# Allegro board trx_layout.brd (continued)
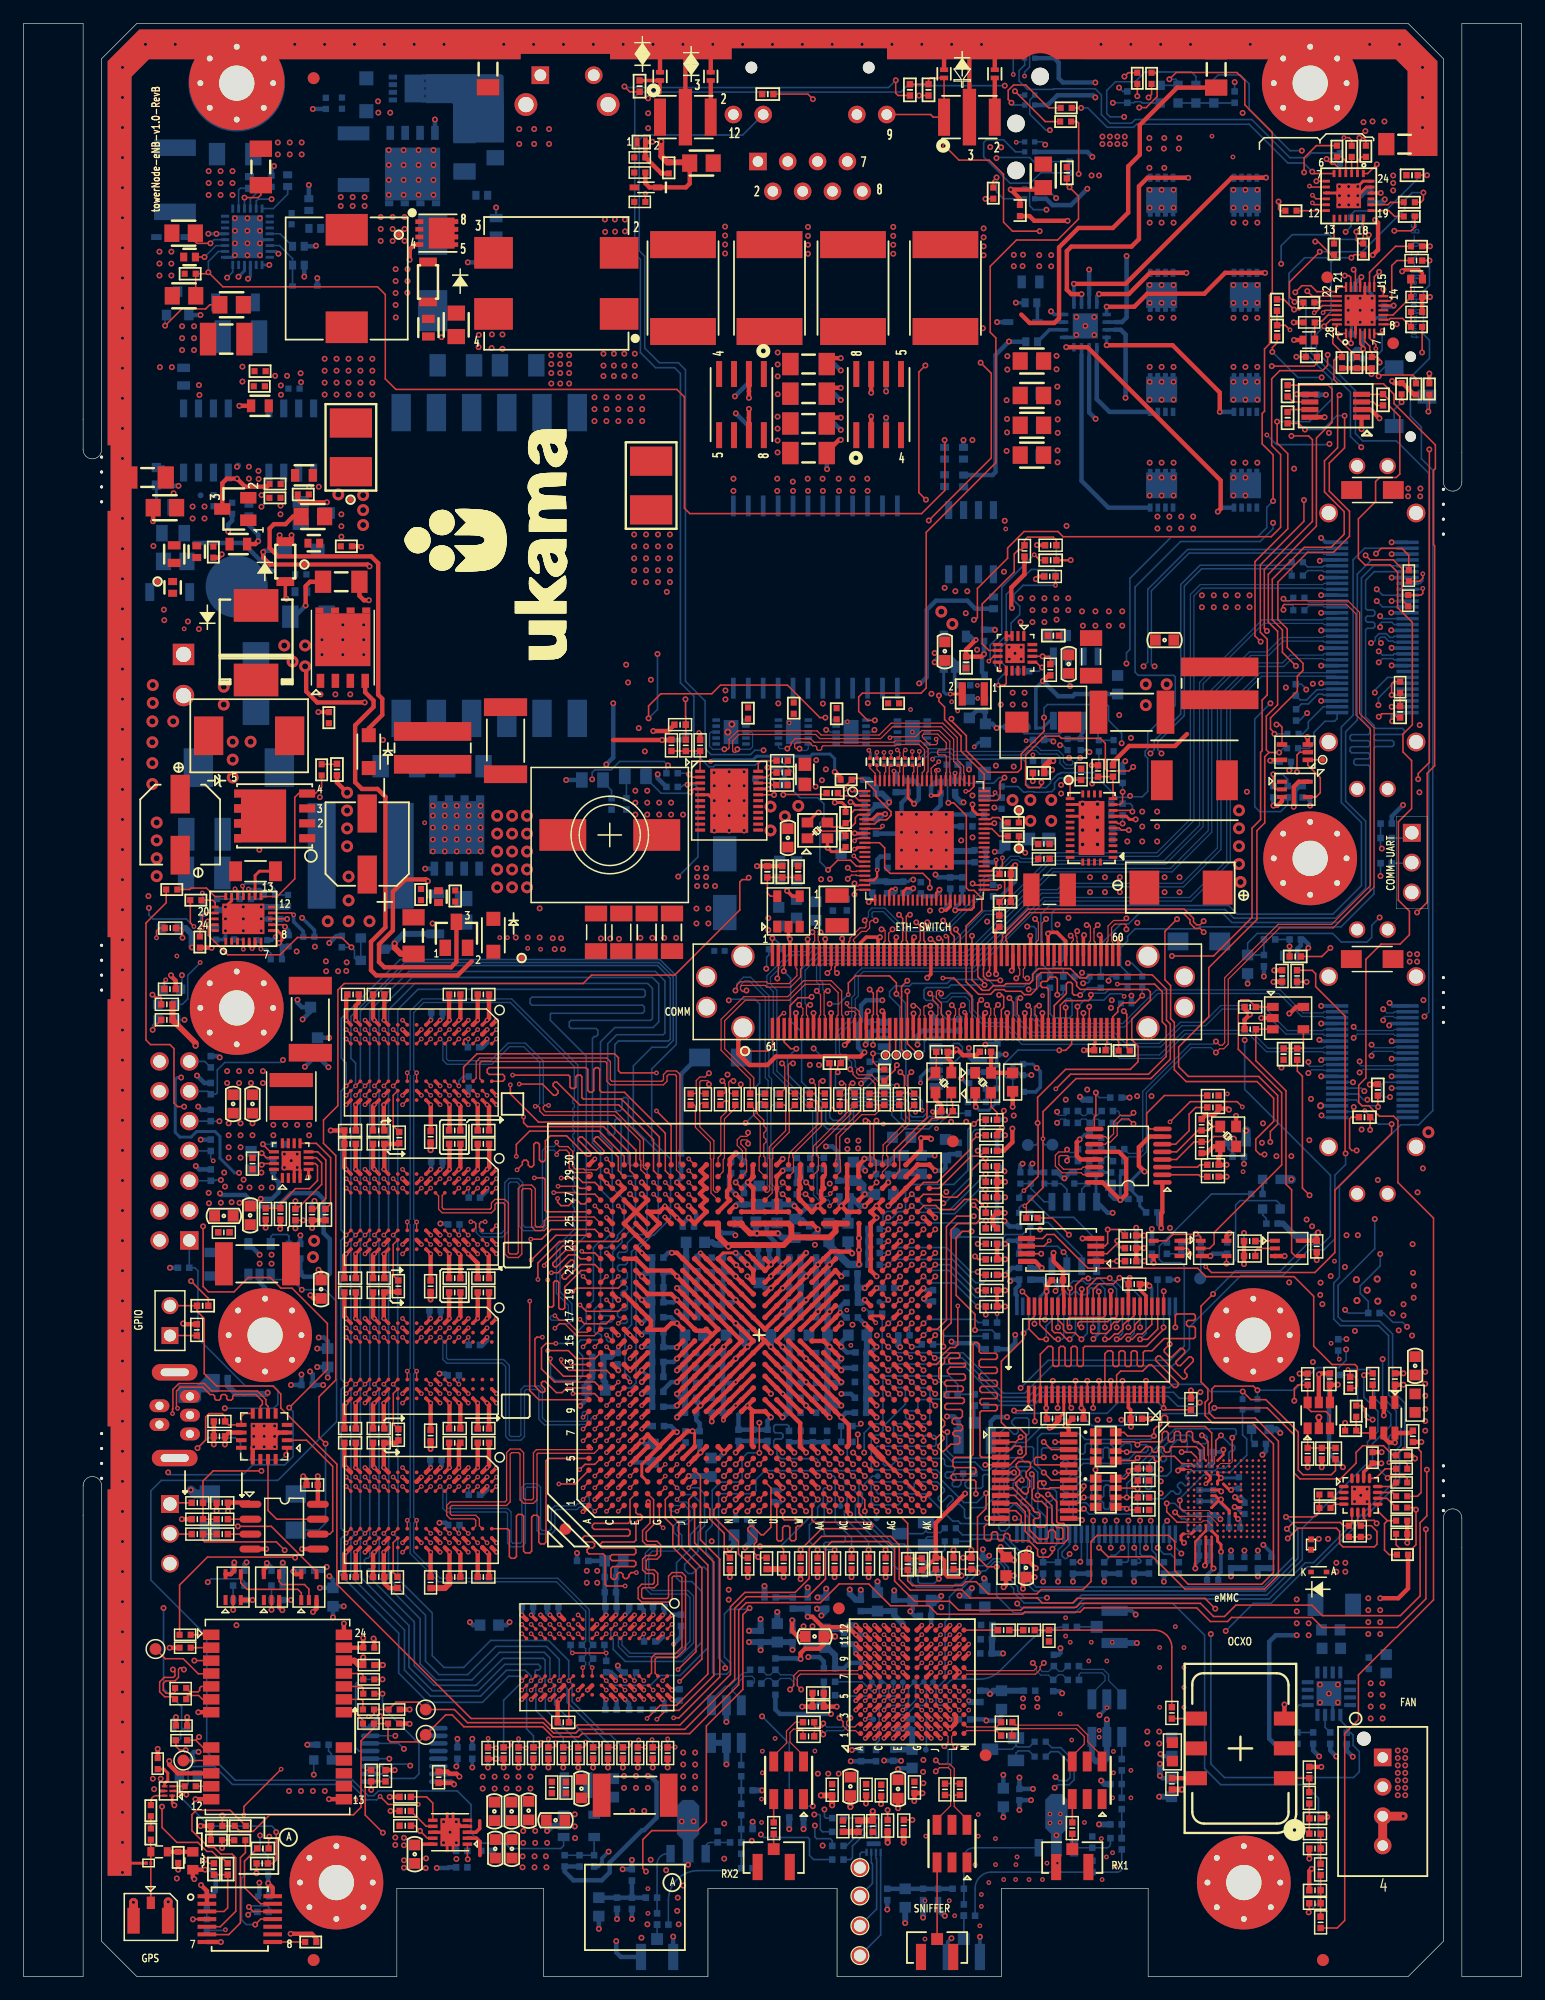
[diagram p0: board, top side]
## Routing (per net, layer and track width the routed paths; a pad name or vN(x,y) marks a point on that pad's centre or on a via; arc(x,y) is an arc through that point) (continued)
EMMC_D2: length 29.1
  TOP w0.137: U29.A5 101.22,43.93 101.22,46.28 100.67,46.83 97.6,46.83 97.46,46.97 97.46,47.64 97.32,47.78 97.08,47.78 96.94,47.64 96.94,46.97 96.8,46.83 96.54,46.83 96.29,46.58 v1(96.29,46.02) 94.06,46.02 93.75,46.33 NR1.8 ; U27.18 87.56,42.26 v1(86.91,42.91)
  BOTTOM w0.137: v1(86.91,42.91) 86.38,43.44 86.38,45.87 86.74,46.23 89.95,46.23 90.45,45.73 95.99,45.73 v1(96.29,46.02)
EMMC_D3: length 27.1
  TOP w0.083: 99.47,43.68 98.88,43.68
  TOP w0.137: 98.88,43.68 98.66,43.68 98.04,44.3 96.99,44.3 96.85,44.16 96.85,44 96.71,43.85 96.47,43.85 96.33,43.99 96.33,44.16 96.2,44.3 95.05,44.3 v1(94.9,44.15) 94.68,43.93 NR1.5 ; U29.B2 99.47,43.68 ; U27.17 87.45,41.61 87.37,41.53 86.55,41.53 86.41,41.67 86.41,42.05 86.55,42.19 86.74,42.19 v1(86.92,42.01)
  BOTTOM w0.137: v1(86.92,42.01) 86.92,41.64 87.06,41.51 87.77,41.51 88,41.27 88,39.83 88.14,39.7 88.93,39.7 89.07,39.83 89.07,40.08 88.93,40.21 88.68,40.21 88.54,40.35 88.54,40.59 88.68,40.73 88.93,40.73 89.07,40.87 89.07,41.11 88.93,41.25 88.68,41.25 88.54,41.39 88.54,41.96 89.31,42.74 89.51,42.74 89.73,42.52 89.92,42.52 90.09,42.69 90.09,42.89 89.87,43.11 89.87,43.3 90.26,43.69 94.47,43.69 94.9,44.11 v1(94.9,44.15)
EMMC_D4: length 27.3
  TOP w0.083: 99.89,44.23 99.97,44.16 99.97,43.68 U29.B3
  TOP w0.137: v1(90.33,41.76) 90.33,41.45 89.84,40.96 U27.16 ; 99.89,44.23 99.47,44.65 v1(98.66,44.65) ; NR2.5 93.82,39.99 v1(93.98,39.83) 94.08,39.73 R178.1
  BOTTOM w0.137: 93.98,39.78 94.44,40.23 94.44,41.92 95.14,42.61 95.44,42.61 95.58,42.48 95.58,41.63 95.72,41.49 95.96,41.49 96.1,41.63 96.1,42.48 96.24,42.61 97.37,42.61 97.77,43.01 97.77,45.17 98.28,45.68 99,45.68 99.14,45.55 99.14,44.79 99,44.65 v1(98.66,44.65) ; 93.98,39.78 v1(93.98,39.83) ; 93.98,39.78 93.18,39.78 93.04,39.91 93.04,40.31 92.91,40.45 92.66,40.45 92.52,40.31 92.52,39.91 92.39,39.78 92.14,39.78 92.01,39.91 92.01,40.31 91.87,40.45 91.63,40.45 91.49,40.31 91.49,39.91 91.35,39.78 91.09,39.78 90.53,40.34 90.02,40.34 89.82,40.54 89.82,41.25 v1(90.33,41.76)
EMMC_D5: length 27.3
  TOP w0.083: U29.B4 100.72,43.46 100.97,43.71 100.97,44.34 100.91,44.4
  TOP w0.137: U27.15 89.85,40.31 v1(90.33,40.79) ; R174.1 94.92,40.79 v1(93.98,40.79) 93.98,40.79 NR2.6 ; 100.91,44.4 100.91,45.55 v1(100.38,46.08)
  BOTTOM w0.137: v1(100.38,46.08) 100.68,46.08 100.82,45.94 100.82,45.5 100.68,45.36 100.03,45.36 99.32,46.08 98.1,46.08 96.91,44.88 96.91,44.67 97.36,44.21 97.36,44.02 97.19,43.85 96.99,43.85 96.53,44.31 96.33,44.31 95.88,43.86 95.88,43.66 96.24,43.3 96.24,43.1 96.07,42.93 95.87,42.93 95.55,43.26 95.28,43.26 93.98,41.96 v1(93.98,40.79) 92.67,40.79 92.54,40.93 92.54,41.71 92.4,41.85 92.21,41.85 92.02,41.66 92.02,40.93 91.88,40.79 91.64,40.79 91.5,40.93 91.5,41.71 91.36,41.85 91.12,41.85 90.98,41.71 90.98,40.93 90.85,40.79 v1(90.33,40.79)
EMMC_D6: length 28.2
  TOP w0.083: U29.B5 101.47,43.68 101.47,44.27 101.58,44.38
  TOP w0.137: NR2.7 94.86,41.59 v1(94.9,41.55) 94.93,41.58 R170.1 ; U27.14 90.16,39.66 v1(90.33,39.83) ; 101.58,44.38 101.58,45.64 v1(102.01,46.08)
  BOTTOM w0.137: v1(102.01,46.08) 102.82,45.26 103.04,45.26 103.18,45.12 103.18,44.88 103.04,44.74 102.82,44.74 102.69,44.6 102.69,43.6 102.37,43.27 101.71,43.27 101.5,43.07 99.49,43.07 99.04,42.62 99.04,42.42 99.3,42.16 99.3,41.97 99.13,41.8 98.93,41.8 98.68,42.06 98.48,42.06 98.31,41.89 98.31,41.69 98.57,41.43 98.57,41.24 98.4,41.07 98.2,41.07 97.94,41.32 97.75,41.32 97.11,40.68 95.77,40.68 v1(94.9,41.55) 94.9,39.88 94.39,39.37 90.78,39.37 v1(90.33,39.83)
EMMC_D7: length 27.3
  TOP w0.083: 102.97,44.16 102.97,44.04 102.97,43.83 102.82,43.68 101.97,43.68 U29.B6
  TOP w0.137: v1(90.17,38.86) 90.02,39.01 U27.13 ; v1(102.97,45.87) 102.97,44.16 ; R168.1 94.35,43.25 v1(94.14,43.03) 94.14,42.7 93.83,42.39 NR2.8
  BOTTOM w0.137: v1(102.97,45.87) 102.98,45.87 103.31,46.2 103.31,46.5 103.17,46.63 98.1,46.63 94.49,43.03 v1(94.14,43.03) 93.33,42.22 92.49,42.22 92.49,42.21 91.92,42.21 91.92,42.22 90.1,42.22 89.42,41.53 89.42,39 89.55,38.86 v1(90.17,38.86)
ENODEB_IN_12V: length 0.8
  BOTTOM w0.305: v2(21.47,88.54) 21.16,88.24 R648.2
  vias: v1(117.07,19.24) v1(117.07,18.61) v1(117.07,17.97) v1(117.07,17.34) v1(117.07,16.7) v1(117.07,16.07) v1(117.07,15.43) v1(117.7,19.24) v1(117.7,18.61) v1(117.7,17.97) v1(117.7,17.34) v1(117.7,16.7) v1(117.7,16.07) v1(117.7,15.43) v1(117.96,126.7) v1(117.95,126.03) v1(118.08,87.05) v1(118.08,86.41) v1(118.72,87.05) v1(118.72,86.41) v1(119,126.7) v1(118.98,126.03) v1(118.94,106.55) v1(118.91,100.83) v3(25.92,89.85) v3(27.7,93.66) v3(27.7,91.63) v3(27.7,89.85) v3(29.47,89.85) v3(84.25,100.18) v3(85.77,100.18) v3(85.77,98.4) v3(87.55,100.18) v3(87.55,98.4) v3(119.68,71.89)
ETH_SW_LED0: length 91.2
  TOP w0.137: R710.2 76.3,160.16 v1(76.3,160.15)
  L3-SIGNAL w0.127: v1(94.88,89.72) 94.88,93.48 92.49,95.87 92.49,99.95 91.9,100.54 91.3,100.54 90.55,101.3 90.55,103.31 90.55,103.31 90.55,103.86 90.34,104.07 90.34,106.62 87.63,109.32 87.63,110.33 87.06,110.9 86.13,110.9 85.63,111.4 84.11,111.4 82.36,113.15 81.41,113.15 v1(81.23,112.97) ; v1(76.3,160.15) 79.2,157.25 79.2,142.86 v1(81.72,140.34)
  L6-SIGNAL w0.127: v1(81.72,140.34) 83.82,140.34 84.55,139.61 84.55,119.83 82.7,117.98 82.7,115.43 81.66,114.4 81.66,113.4 v1(81.23,112.97) ; v1(94.08,86.28) 94.05,86.3 94.05,87.82 94.88,88.65 v1(94.88,89.72)
  BOTTOM w0.137: R308.2 95.3,85.39 94.43,86.27 94.08,86.27 v1(94.08,86.28)
ETH_SWITCH_RST: length 15.3
  TOP w0.137: R678.2 106.79,139.1 106.38,138.69 v1(106.38,138.33) ; U21.5 114.26,139.23 114.68,138.81 114.68,138.48 114.86,138.3 R695.2 115.33,137.89 115.53,137.69 v1(115.53,137.43)
  L6-SIGNAL w0.127: v1(110.58,136.15) 111.89,137.46 115.5,137.46 v1(115.53,137.43)
  BOTTOM w0.137: v1(110.58,136.15) 108.56,136.15 v1(106.38,138.33)
ETH_SWT_INT: length 77.9
  TOP w0.137: U21.7 115.6,139.9 115.73,140.03 v2(115.73,140.15) ; U243.66 81.83,102.37 79.87,104.34 79.87,105.62 79.85,105.63 78.47,107.02 78.47,108.09 77.98,108.57 v1(77.98,109.07)
  L3-SIGNAL w0.127: v2(83.67,123.25) 83.94,123.52 86.78,123.52 88.09,124.83 99.97,124.83 100.59,124.21 105.69,124.21 107.01,125.53 107.01,128.4 110.05,131.43 v1(111.21,131.43)
  L6-SIGNAL w0.127: v2(115.73,140.15) 115.73,139.87 115.98,139.62 115.98,138.25 115.61,137.88 114.51,137.88 114.45,137.82 111.53,137.82 110.14,136.43 110.14,132.5 v1(111.21,131.43) ; v2(83.67,123.25) 83.68,123.24 83.68,120.56 81.99,118.87 81.99,115.74 80.31,114.05 80.31,111.4 v1(77.98,109.07)
  BOTTOM w0.137: v2(115.73,140.15) 115.73,138.46 115.05,137.77 R707.2
ETH_SWT_LED1_N: length 51.2
  TOP w0.137: v1(51.19,160.92) 51.64,160.47 R715.1 ; v1(74.3,161.45) 74.3,160.36 74.5,160.16 R711.1
  L3-SIGNAL w0.127: v1(74.3,161.45) 76.09,161.45 77.5,160.05 85.04,160.05 86.03,159.05 89,159.05 89.64,159.69 90.76,159.69 90.91,159.54 v1(92.8,159.54)
  BOTTOM w0.137: v1(92.8,159.54) 92.8,159.51 92.83,159.54 R709.1 94.58,159.54 94.67,159.63 95.18,159.63 95.29,159.52 LED19.2 ; v1(74.3,161.45) 73.69,160.84 51.28,160.84 v1(51.19,160.92)
ETH_SYNCE: length 73.7
  TOP w0.137: U1.AK13 77.76,52.11 78.12,52.47 78.12,52.75 78.93,53.56 79.35,53.56 79.59,53.79 v2(79.59,57.1) ; R660.2 68.29,100.65 64.75,100.65 v1(64.72,100.62)
  L6-SIGNAL w0.127: v2(79.59,57.1) 79.59,57.52 79.36,57.75 79.36,68.8 77.75,70.41 74.5,70.41 72.22,72.69 72.22,73.06 72.48,73.32 74.03,73.32 74.35,73.64 74.35,73.97 73.59,74.73 65.36,74.73 63.77,76.32 63.77,85.58 64.24,86.04 64.24,90.43 63.97,90.69 63.97,95.82 62.76,97.03 62.76,101.16 63.25,101.65 63.69,101.65 v1(64.72,100.62)
FPGA_CFG_INIT_B_R: length 12.8
  TOP w0.137: J4.36 81.3,85.12 81.86,84.56 v1(81.86,84.42)
  BOTTOM w0.137: R102.1 78.65,81.5 78.16,81.99 78.16,82.38 77.43,83.11 76.92,83.11 76.71,83.31 76.71,84 76.92,84.21 78.8,84.21 79.01,84.42 v1(81.86,84.42)
GPIO11: length 136
  TOP w0.137: U1.AK15 v1(77.67,54.61) ; v1(14.27,59.21) 15.75,57.74 R7.1
  L6-SIGNAL w0.127: v1(77.67,54.61) 78.45,55.39 78.45,65.08 76.84,66.69 76.84,67.31 74.6,69.55 72.36,69.55 71.82,70.08 71.45,70.08 70.79,69.42 69.8,69.42 69.24,69.98 69.24,71.12 68.79,71.58 67.58,71.58 60.32,78.84 58.17,78.84 56.47,80.54 56.47,93.85 56.11,94.21 45.8,94.21 42.67,91.08 31.38,91.08 29.64,92.81 26.7,92.81 25.83,91.95 16.69,91.95 16.23,91.49 16.23,88.72 15.52,88.01 15.52,86.26 14.37,85.11 14.37,85.03 13.27,83.93 13.27,81.27 15.66,78.88 15.66,68.95 16.24,68.36 16.24,61.48 14.27,59.51 v1(14.27,59.21)
GPS_MODULE_RESET: length 237.3
  TOP w0.137: v1(118.71,90.6) 119.58,91.47 119.58,102.46 120.21,103.09 120.21,121.81 120.12,121.89 120.12,128.24 120.27,128.4 120.27,130.4 116.75,133.92 116.75,134.71 115.85,135.61 112,135.61 111.63,135.98 111.63,137.61 111.91,137.89 R687.2 112.32,138.26 111.53,139.05 111.53,140.16 111.89,140.51 U21.28 ; R215.2 12.99,19.6 13.31,19.28 v1(13.82,19.28)
  L3-SIGNAL w0.127: v1(118.71,90.6) 118.71,88.87 117.13,87.29 117.13,84.54 117.88,83.79 117.88,72.32 113.12,67.56 111.77,67.56 108.86,64.64 108.86,64.27 109.16,63.97 109.16,57.1 109.84,56.42 v1(109.84,52.32)
  L6-SIGNAL w0.127: v1(109.84,52.32) 109.84,34.75 103.53,28.45 101.55,28.45 91.43,18.33 83.96,18.33 76.1,10.46 73.2,10.46 72.31,11.35 69.16,11.35 66.21,8.41 59.73,8.41 57.34,10.8 50.99,10.8 49.95,9.75 42.17,9.75 41.33,10.59 34.35,10.59 34.25,10.69 31.31,10.69 28.7,13.29 23.65,13.29 21.82,11.47 18.33,11.47 16.41,13.39 16.41,16.31 13.82,18.9 v1(13.82,19.28)
GPS_TIMEPULSE: length 118.4
  TOP w0.137: U37.3 v1(14.56,26.9)
  L3-SIGNAL w0.127: v1(58.63,37.06) 58.11,37.58 58.11,42.13 59.08,43.1 59.92,43.1 60.2,43.38 60.2,44.88 61.05,45.74 69.9,45.74 70.78,46.63 71.33,46.63 71.53,46.43 71.53,44.7 v1(71.61,44.61)
  L6-SIGNAL w0.127: v1(14.56,26.9) 15.89,28.24 29.22,28.24 30.45,28.24 33.71,24.98 33.71,16.13 35.6,14.24 45.11,14.24 45.7,14.83 57.21,14.83 58.47,16.09 58.47,18.43 58.57,18.53 58.57,37 v1(58.63,37.06)
  BOTTOM w0.137: R412.1 R410.1 79.58,50.42 78.87,51.13 73.41,51.13 73.21,50.92 73.21,47.37 72.9,47.06 72.4,47.06 72.4,47.07 71.61,46.28 v1(71.61,44.61)
HDMI_CLK_DN: length 43.8
  TOP w0.107: J4.99 82.8,81.79 82.7,81.88 82.7,82.41 v1(83.02,82.73)
  L6-SIGNAL w0.095: v1(113.82,76.97) 114.12,77.27 114.37,77.27 114.64,77.54 114.64,77.98 113.32,79.3 107.11,79.3 105.39,77.58 88.13,77.58 84.33,81.38 83.41,81.38 82.7,82.09 82.7,82.41 v1(83.02,82.73)
  BOTTOM w0.107: J16.12 116.79,77.14 116.69,77.24 114.09,77.24 v1(113.82,76.97)
HDMI_CLK_DP: length 43.8
  TOP w0.107: v1(82.08,82.73) 82.4,82.41 82.4,81.88 82.3,81.79 J4.98
  L6-SIGNAL w0.095: v1(113.82,77.91) 113.82,77.69 113.94,77.57 114.24,77.57 114.34,77.67 114.34,77.85 113.19,78.99 107.23,78.99 105.52,77.28 88.01,77.28 84.21,81.07 83.28,81.07 82.4,81.96 82.4,82.64 82.3,82.73 v1(82.08,82.73)
  BOTTOM w0.107: v1(113.82,77.91) 113.82,77.65 113.93,77.55 116.7,77.55 116.79,77.64 J16.11
HDMI_DATA0_DN: length 46.5
  TOP w0.107: v1(80.02,82.7) 79.7,82.38 79.7,81.88 79.8,81.79 J4.93
  L3-SIGNAL w0.095: v1(115.83,81.42) 115.83,81.77 115.73,81.87 112.74,81.87 111.35,83.26 103.45,83.26 99.31,79.12 92.96,79.12 90.85,81.23 81.6,81.23 81.57,81.26 81.56,81.26 80.82,81.99 80.82,83 80.53,83.29 79.8,83.29 79.7,83.2 79.7,82.83 79.7,82.8 79.8,82.7 v1(80.02,82.7)
  BOTTOM w0.107: v1(115.83,81.42) 115.83,81.63 115.93,81.74 116.7,81.74 116.79,81.64 J16.3
HDMI_DATA0_DP: length 46.6
  TOP w0.107: v1(79.08,82.7) 79.4,82.38 79.4,81.88 79.3,81.79 J4.92
  L3-SIGNAL w0.095: v1(79.08,82.7) 79.3,82.7 79.39,82.8 79.39,82.83 79.4,83.32 79.67,83.6 80.65,83.6 81.13,83.12 81.13,82.12 81.68,81.56 81.7,81.56 81.73,81.54 90.98,81.54 93.09,79.43 99.19,79.43 103.32,83.57 111.48,83.57 112.87,82.17 115.64,82.17 v1(115.83,82.36)
  BOTTOM w0.107: v1(115.83,82.36) 116.14,82.04 116.7,82.04 116.79,82.14 J16.2
HDMI_DATA1_DN: length 42.8
  TOP w0.107: J4.44 85.29,85.87 85.17,85.75 85.17,85.1 85.28,84.99 v1(85.51,84.99)
  L6-SIGNAL w0.095: v1(113.31,79.92) 112.98,80.26 107.53,80.26 105.22,77.94 90,77.94 87.3,80.64 87.3,85.16 87.03,85.43 85.23,85.43 85.13,85.32 85.13,85.08 85.22,84.99 v1(85.51,84.99)
  BOTTOM w0.107: v1(113.31,79.92) 113.63,80.24 116.7,80.24 116.79,80.14 J16.6
HDMI_DATA1_DP: length 42.9
  TOP w0.107: v1(84.57,84.99) 84.87,85.29 84.87,85.79 84.79,85.87 J4.43
  L6-SIGNAL w0.095: v1(113.31,80.86) 113.02,80.57 112.98,80.57 112.98,80.56 107.4,80.56 105.09,78.25 90.13,78.25 87.6,80.77 87.6,85.28 87.16,85.73 85.11,85.73 84.82,85.44 84.82,85.24 v1(84.57,84.99)
  BOTTOM w0.107: v1(113.31,80.86) 113.63,80.54 116.7,80.54 116.79,80.64 J16.5
HDMI_DATA2_DN: length 45
  TOP w0.107: J4.47 86.79,88.09 86.75,88.12 86.75,89.69 v1(87.11,90.05)
  L6-SIGNAL w0.095: v1(87.11,90.05) 86.78,90.38 86.78,90.92 87.37,91.51 94.86,91.51 97.4,88.97 98.51,88.97 100.63,86.84 112.22,86.84 113.82,85.24 113.82,79.3 114.19,78.92 114.61,78.92 114.84,78.69 v1(114.84,78.4)
  BOTTOM w0.107: J16.9 116.79,78.64 116.66,78.77 115.09,78.77 115.07,78.75 114.95,78.75 114.84,78.63 v1(114.84,78.4)
HDMI_DATA2_DP: length 45
  TOP w0.107: J4.46 86.29,88.09 86.45,88.25 86.45,89.77 v1(86.17,90.05)
  L6-SIGNAL w0.095: v1(86.17,90.05) 86.47,90.35 86.47,90.38 86.47,91.04 87.24,91.81 94.98,91.81 97.52,89.27 98.64,89.27 100.76,87.15 112.34,87.15 114.12,85.37 114.12,79.42 114.32,79.23 114.73,79.23 v1(114.84,79.34)
  BOTTOM w0.107: J16.8 116.79,79.14 116.73,79.08 115.09,79.08 v1(114.84,79.34)
HDMI_SMB_SOC_CLK: length 53.9
  TOP w0.137: v1(81.59,83.15) 81.55,83.15 81.3,82.9 J4.96
  L3-SIGNAL w0.127: v1(81.59,83.15) 81.58,83.15 81.58,83.52 79.69,85.41 78.13,85.41 77.7,84.98 77.7,82.35 77.93,82.12 77.93,81.78 78.47,81.24 80.59,81.24 81.35,80.48 90.62,80.48 92.67,78.43 100.02,78.43 100.74,79.15 102.11,79.15 102.5,78.76 110.81,78.76 112.57,76.99 112.57,75.67 112.86,75.39 v1(114.22,75.39)
  BOTTOM w0.137: J16.35 113.97,75.64 v1(114.22,75.39)
HDMI_SMB_SOC_DAT: length 49.6
  TOP w0.137: v2(78.31,85.01) 79.25,85.01 80.8,83.47 J4.95
  L3-SIGNAL w0.127: v1(113.26,76.14) 113.26,76.78 110.83,79.2 102.89,79.2 101.93,80.16 101.26,80.16 99.86,78.76 92.81,78.76 90.7,80.87 81.45,80.87 81.42,80.89 81.4,80.89 80.71,81.59 78.59,81.59 78.29,81.89 78.29,82.17 78.63,82.52 78.63,84.69 v2(78.31,85.01)
  BOTTOM w0.137: v1(113.26,76.14) J16.34
LED_DRIVER_RST_L: length 22
  TOP w0.137: U21.2 113.06,139.08 v1(113.08,139.06) ; R686.1 v1(119.56,153.37)
  L6-SIGNAL w0.127: v1(113.08,139.06) 113.4,139.38 113.4,143.29 114.43,144.32 114.43,145.97 112.63,147.78 v1(112.63,148.55)
  BOTTOM w0.137: v1(119.56,153.37) 119.06,153.37 116.02,150.33 113.4,150.33 113.09,150.02 R674.1 113.09,149.01 v1(112.63,148.55)
LNA_RF_OUT: length 1.3
  TOP w0.137: C155.2 U37.11
MASK_EXP_INT: length 1.1
  TOP w0.137: R482.2 R66.1
MASK_PCIE_RXN: length 85.4
  BOTTOM w0.107: J13.45 110.79,115.11 110.7,115.21 105.64,115.21 100.49,110.06 100.49,97.91 97.29,94.71 87.32,94.71 83.04,90.43 81.95,90.43 79.1,87.58 67.56,87.58 67.56,87.57 67.44,87.57 66.83,86.97 65.52,86.97 64.59,86.03 64.58,86.03 64.33,85.78 64.33,85.77 63.63,85.07 63.63,84.53 64.18,83.99 64.18,77.09 67.53,73.74 67.53,69.91 67.72,69.71 C255.1
MASK_PCIE_RXP: length 85.5
  BOTTOM w0.107: C256.1 67.22,69.91 67.22,73.61 63.87,76.97 63.87,83.86 63.33,84.41 63.33,85.2 64.02,85.9 64.02,85.91 64.46,86.34 64.46,86.34 65.4,87.27 66.71,87.27 67.32,87.88 67.43,87.88 67.43,87.88 78.97,87.88 81.83,90.73 82.91,90.73 87.19,95.02 97.17,95.02 100.19,98.04 100.19,110.19 105.51,115.52 110.7,115.52 110.79,115.61 J13.44
MASK_PCIE_TXN: length 73.2
  TOP w0.107: C74.2 72.44,75.17 72.55,75.28 72.55,76.03 72.11,76.47 71.02,76.47 70.66,76.82 70.66,77 v1(70.43,77.24)
  BOTTOM w0.107: v1(70.43,77.24) 70.54,77.36 70.54,77.84 70.32,78.06 69.66,78.06 69.2,78.52 69.2,80.33 70.54,81.67 70.54,83.34 70.8,83.6 70.8,85.26 71.42,85.87 80.88,85.87 86.88,91.87 99.34,91.87 102.5,95.03 102.5,108.17 105.35,111.02 111.8,111.02 J13.53
MASK_PCIE_TXP: length 73.3
  TOP w0.107: v1(71.37,77.24) 71.33,77.28 71.07,77.28 70.97,77.17 70.97,76.95 71.14,76.77 72.24,76.77 72.85,76.16 72.85,75.28 72.96,75.17 C75.2
  BOTTOM w0.107: v1(71.37,77.24) 71.08,77.24 70.85,77.47 70.85,77.96 70.44,78.37 69.79,78.37 69.5,78.65 69.5,80.2 70.85,81.54 70.85,83.22 71.11,83.48 71.11,85.13 71.54,85.57 81.01,85.57 87.01,91.57 99.47,91.57 102.8,94.91 102.8,108.04 105.47,110.71 111.8,110.71 J13.54
MASK_SPI_CLK: length 68.5
  BOTTOM w0.137: J13.2 114.25,121.61 113.26,120.63 113.26,107.39 112.26,106.39 112.26,99.96 113.97,98.25 113.97,92.89 111.54,90.46 103.39,90.46 102.66,91.19 87.41,91.19 86.66,90.44 86.66,86.32 87.45,85.53 R307.2
MASK_SPI_CS: length 68.2
  BOTTOM w0.137: J13.4 114.82,120.61 113.62,119.41 113.62,106.97 112.63,105.98 112.63,100.08 114.33,98.37 114.33,92.66 111.79,90.12 103.1,90.12 102.37,90.85 102.32,90.85 94.91,90.85 87.87,90.85 87.59,90.56 87.59,89.18 88.58,88.19 88.58,86.54 88.44,86.4 87.82,86.4 87.68,86.26 87.68,85.99 87.82,85.85 88.44,85.85 88.58,85.71 R306.2
MASK_SPI_MISO: length 68
  BOTTOM w0.137: J13.5 114.99,120.11 113.97,119.09 113.97,107.05 114.7,106.32 114.7,105.88 114.56,105.74 113.15,105.74 113.01,105.61 113.01,105.36 113.15,105.23 114.56,105.23 114.7,105.09 114.7,104.84 114.56,104.71 113.15,104.71 113.01,104.57 113.01,104.33 113.15,104.19 114.56,104.19 114.7,104.05 114.7,103.83 114.55,103.68 113.46,103.68 113.33,103.54 113.33,103.3 113.48,103.14 114.56,103.14 114.7,103 114.7,92.43 112.01,89.75 102.94,89.75 102.18,90.51 95.01,90.51 94.13,89.63 93.49,89.63 91.77,87.9 R310.2
MASK_SPI_MOSI: length 67.7
  BOTTOM w0.137: R304.2 94.05,85.45 93.46,86.05 93.46,87.59 94.05,88.18 94.05,88.56 94.69,89.2 100,89.2 100.17,89.37 112.24,89.37 115.04,92.17 115.04,104.58 115.19,104.73 116.59,104.73 116.73,104.86 116.73,105.11 116.59,105.25 115.17,105.25 115.04,105.38 115.04,105.62 115.17,105.75 117.47,105.75 117.61,105.89 117.61,106.13 117.47,106.27 115.17,106.27 115.04,106.41 115.04,106.54 114.33,107.25 114.33,114.66 114.47,114.8 114.98,114.8 115.12,114.94 115.12,115.18 114.98,115.32 114.47,115.32 114.33,115.45 114.33,115.7 114.47,115.83 114.98,115.83 115.12,115.97 115.12,116.22 114.98,116.35 114.47,116.35 114.33,116.49 114.33,118.87 115.07,119.61 J13.6
MASK_UART_RX1: length 177
  TOP w0.137: R57.1 118.01,121.01 117.41,121.61 115.67,121.61 v1(115.22,121.16)
  L3-SIGNAL w0.127: v1(67.77,77.61) 63.53,73.37 61.16,73.37 59.16,71.37 59.16,57.91 55.2,53.95 55.2,32.99 56.94,31.25 56.94,19.89 56.72,19.67 56.72,18.8 56.51,18.58 40.91,18.58 40.42,18.1 40.05,18.1 39.66,18.49 33.48,18.49 v1(32.95,17.96)
  L6-SIGNAL w0.127: v1(115.22,121.16) 114.92,121.45 112.45,121.45 111.93,120.93 111.93,118.37 109.43,115.87 105.53,115.87 105.14,115.48 93.94,115.48 93.92,115.46 93.17,115.46 93.04,115.33 93.04,114.97 89.35,111.28 88.32,111.28 87.89,110.85 85.07,110.85 79.41,105.19 79.41,103.07 78.08,101.73 77.81,101.73 76.56,100.49 76.56,99.92 76.04,99.4 75.88,99.4 74.34,97.85 74.34,95.01 73.88,94.55 73.88,91.64 72.73,90.5 71.61,90.5 70.98,89.86 70.98,83.91 70.98,83.9 70.98,80.75 70.64,80.41 70.64,79.37 69.36,78.1 68.57,78.1 68.09,77.61 v1(67.77,77.61)
  BOTTOM w0.137: U68.3 30.52,17.9 30.71,18.08 32.82,18.08 v1(32.95,17.96)
MASK_UART_TX1: length 180.1
  TOP w0.137: v1(114.33,121.01) 114.71,120.63 116.67,120.63 117.44,119.86 117.44,117.19 R60.1
  L3-SIGNAL w0.127: v1(32.41,19.38) 32.8,18.99 55.49,18.99 56.61,20.11 56.61,30.99 54.1,33.51 54.1,53.36 58.78,58.04 58.78,71.65 60.91,73.79 63.15,73.79 v1(66.99,77.62)
  L6-SIGNAL w0.127: v1(114.33,121.01) 114.73,120.6 115.49,120.6 115.73,120.84 115.73,121.44 115.38,121.78 110.94,121.78 104.99,115.84 93.83,115.84 93.78,115.79 92.6,115.79 92.01,115.2 92.01,114.46 89.52,111.97 85.71,111.97 79.06,105.32 79.06,103.24 77.9,102.08 77.3,102.08 74.35,99.14 74.35,98.38 73.96,97.99 73.96,95.14 73.54,94.72 73.54,91.78 72.64,90.88 71.53,90.88 70.65,90 70.65,83.77 70.65,83.77 70.65,81.29 v1(66.99,77.62)
  BOTTOM w0.137: v1(32.41,19.38) 31.94,19.85 U68.6
MB_3V3_GPIO5: length 53.9
  TOP w0.137: U21.19 113.46,145.18 v1(113.31,145.33)
  L6-SIGNAL w0.127: v1(113.31,145.33) 112.43,145.33 109.15,142.05 109.15,133.1 107.1,131.05 107.1,126.19 109.87,123.42 116.62,123.42 117.68,122.37 117.68,111.17 115.83,109.32 v1(115.12,109.32)
  BOTTOM w0.137: J13.24 116.2,110.61 115.12,109.52 v1(115.12,109.32)
MB_3V3_GPIO6: length 54.8
  TOP w0.137: U21.20 113.06,144.68 112.93,144.82 v1(112.55,144.82)
  L6-SIGNAL w0.127: v1(115.42,108.25) 115.76,108.6 116.78,108.6 118.04,109.85 118.04,122.53 114.21,126.36 110.76,126.36 109.57,125.17 108.59,125.17 107.43,126.33 107.43,129.66 108.62,130.85 108.62,132.04 109.48,132.89 109.48,141.75 v1(112.55,144.82)
  BOTTOM w0.137: v1(115.42,108.25) 115.42,108.86 116.67,110.11 J13.25
MB_3V3_GPIO7: length 90.6
  TOP w0.137: U21.21 112.1,143.85 111.7,143.45 110.18,143.45 109.67,143.96 108.9,143.96 v1(108.34,143.4)
  L6-SIGNAL w0.127: v1(116.41,74.88) 116.41,74.88 117.65,76.12 117.65,83.36 116.61,84.4 116.61,87.42 117.38,88.19 117.38,90.02 115.01,92.38 115.01,103.26 114.56,103.71 114.56,109.55 114.94,109.93 115.94,109.93 117.32,111.31 117.32,122.15 116.51,122.97 109.86,122.97 106.96,125.86 106.77,126.06 106.77,131.19 107.49,131.91 107.49,142.55 v1(108.34,143.4)
  BOTTOM w0.137: J16.14 115.86,76.14 115.68,75.96 115.68,75.02 115.82,74.88 v1(116.41,74.88)
MB_3V3_GPIO8: length 94.6
  TOP w0.137: v1(109.36,143.5) 109.36,143.5 109.79,143.07 U21.22
  L6-SIGNAL w0.127: v1(116.55,75.64) 117.32,76.42 117.32,83.19 116.27,84.23 116.27,87.16 114.97,88.46 114.97,90.24 114.29,90.93 114.29,98.18 108.83,103.64 108.83,109.76 109.91,110.84 116.38,110.84 116.99,111.45 116.99,116.28 116.6,116.67 116.36,116.67 116.1,116.93 116.1,121.62 115.59,122.13 110.81,122.13 110.49,121.82 109.27,121.82 105.99,125.1 105.99,130.57 106.33,130.91 106.33,132.79 107.16,133.62 107.16,143.18 107.9,143.92 108.94,143.92 109.36,143.5 v1(109.36,143.5)
  BOTTOM w0.137: J16.15 v1(116.55,75.64)
MB_I2C_INT_3P3: length 246.4
  TOP w0.137: v1(119.14,138.28) 119.14,138.28 R683.2
  L6-SIGNAL w0.127: v1(119.14,138.28) 119.11,138.25 119.11,128.49 119.86,127.73 119.86,81.43 118.75,80.31 118.75,72.85 117.53,71.63 117.53,69.85 120.13,67.25 120.13,16.21 118.67,14.76 86.62,14.76 86.29,14.43 85.52,14.43 85.19,14.76 81,14.76 76.38,10.13 73,10.13 72.11,11.02 69.29,11.02 66.34,8.07 59.43,8.07 57.09,10.41 51.17,10.41 49.47,8.71 33.73,8.71 33.28,9.17 33.28,9.88 32.79,10.36 31.17,10.36 28.57,12.96 23.89,12.96 22.02,11.1 18.7,11.1 17.2,9.6 v2(17.2,3.98)
  BOTTOM w0.137: v2(17.2,3.98) 17.14,3.92 R682.1
MB_I2C_MASTER_SEL_3P3: length 264.2
  TOP w0.137: v1(74.67,52.61) U1.AG14 ; R675.2 15.8,9.63 v1(15.49,9.94) ; R680.2 118.62,136.08 118.34,136.36 115.54,136.36 v1(115.44,136.26)
  L3-SIGNAL w0.127: v1(15.49,9.94) 16.73,9.94 20.34,13.56 34.92,13.56 35.15,13.79 44.74,13.79 45.16,13.37 47.29,13.37 47.63,13.03 53.48,13.03 54.16,13.72 59.01,13.72 v1(59.69,13.03) ; v1(85.5,89.4) 85.8,89.11 86.33,89.11 87.08,88.35 87.89,88.35 89.02,89.48 89.02,89.5 89.23,89.7 89.24,89.7 89.5,89.96 89.5,90.53 90.52,91.55 91.18,91.55 91.63,92.01 91.63,92.28 91.63,94.17 89.58,96.23 89.58,101.89 88.63,102.83 88.63,104 89.11,104.48 89.11,107.38 88.91,107.57 85.41,111.07 83.98,111.07 83.43,111.62 82.87,111.62 82.55,111.3 77.42,111.3 77.17,111.56 77.17,118.97 78.31,120.11 83.12,120.11 83.7,120.7 83.7,121.96 84.88,123.14 86.95,123.14 88.27,124.46 95.1,124.46 95.76,123.8 105.76,123.8 107.42,125.46 107.42,127.57 v1(108.24,128.39)
  L6-SIGNAL w0.127: v1(115.44,136.26) 115.44,134.97 112,131.53 112,129.88 110.51,128.39 v1(108.24,128.39) ; v1(59.69,13.03) 59.87,13.03 61.3,14.46 61.3,24.06 60.9,24.46 60.9,34.8 59.26,36.44 59.26,37.79 58.51,38.53 58.51,38.66 58.5,38.67 58.5,40.91 58.51,40.92 58.51,42.08 59.49,43.06 59.87,43.06 60.22,43.42 60.22,43.97 60.42,44.16 60.87,44.16 63.51,46.8 64.59,46.8 65.47,47.69 65.47,48.66 68.96,52.15 73.85,52.15 74.31,52.61 v1(74.67,52.61) 74.12,52.06 74.12,50.49 74.44,50.17 76.97,50.17 77.22,50.42 77.22,50.88 77.62,51.28 79.57,53.23 80.48,54.14 80.48,57.57 80.17,57.88 80.17,63.25 80.07,63.35 80.07,69.27 76.5,72.84 76.5,73.68 76.57,73.75 v2(76.56,73.75)
  BOTTOM w0.137: v1(115.44,136.26) 115.44,136.52 115.93,137.01 SW10.3 ; v2(76.56,73.75) 76.56,74.54 75.16,75.95 75.16,78.33 74.65,78.84 74.65,82.58 73.78,83.45 73.78,83.86 74.25,84.34 75.47,84.34 75.7,84.56 78.66,84.56 79,84.89 82.17,84.89 82.77,84.29 85.23,84.29 85.48,84.54 85.69,84.54 86.04,84.88 86.04,85.49 86.26,85.71 86.26,89.19 86.05,89.4 v1(85.5,89.4)
MB_I2C_SCL_3P3: length 483.2
  TOP w0.137: v1(116.77,148.64) 118.21,148.64 118.52,148.95 R635.1 ; v2(14.52,89.4) 14.21,89.71 R651.1 ; v1(106.33,137.12) 109.94,137.12 110.18,137.35 R633.2 ; v2(21.95,17.65) 18.77,14.48 v2(18.77,13.77) ; v1(16.92,10.95) 16.91,10.95 R625.2 17.94,11.61 R622.1 ; v1(119.55,43.15) 119.55,39.22 118.97,38.64 118.97,32.4 117.29,30.73 110.65,30.73 109.76,31.62 103.28,31.62 102.31,30.66 101.37,30.66 100.26,31.77 90.02,31.77 89.69,31.44 85.21,31.44 84.96,31.19 79.66,31.19 78.9,31.95 75.92,31.95 74.21,33.67 74.21,36.49 73.66,37.03 68.86,37.03 68.32,36.49 68.32,33.85 66.81,32.34 61.58,32.34 60.59,31.35 60.59,25.3 56.34,21.05 47.36,21.05 47.05,20.74 45.15,20.74 44.27,21.62 37.82,21.62 36.7,22.73 TP18.1 33.64,23.36 31.73,23.36 R210.2 R209.1 29.87,22.37 29.62,22.12 v2(29.39,22.12) ; v1(80.8,88.61) J4.35 80.8,84.85 81.68,83.97 82.22,83.97 82.62,84.37 83.53,84.37 83.7,84.54 85.69,84.54 85.96,84.8 85.96,85.32 86.45,85.82 89.19,85.82 89.99,85.02 90.51,85.02 90.78,85.29 96.14,85.29 97.36,84.07 97.36,81.43 97.69,81.1 97.69,78.1 96.04,76.45 89.66,76.45 86.85,73.64 v2(86.85,71.34) 86.85,67.17 v2(85.29,65.61) 85.42,65.47 R631.1 ; R169.2 117.88,43.63 117.74,43.77 v2(116.31,43.77)